# Altium PCB 1.PcbDoc (part 2 of 2)
Units mil, origin at the board's own origin, x right, y up, seen from the top; angles counter-clockwise.
Board outline 4225.03 x 4485.03 mil, 2 copper layers (Top Layer, Bottom Layer); 137 components, 104 nets, 694 pads, 56 vias.
Unrouted connection lines stored in the file: 96.
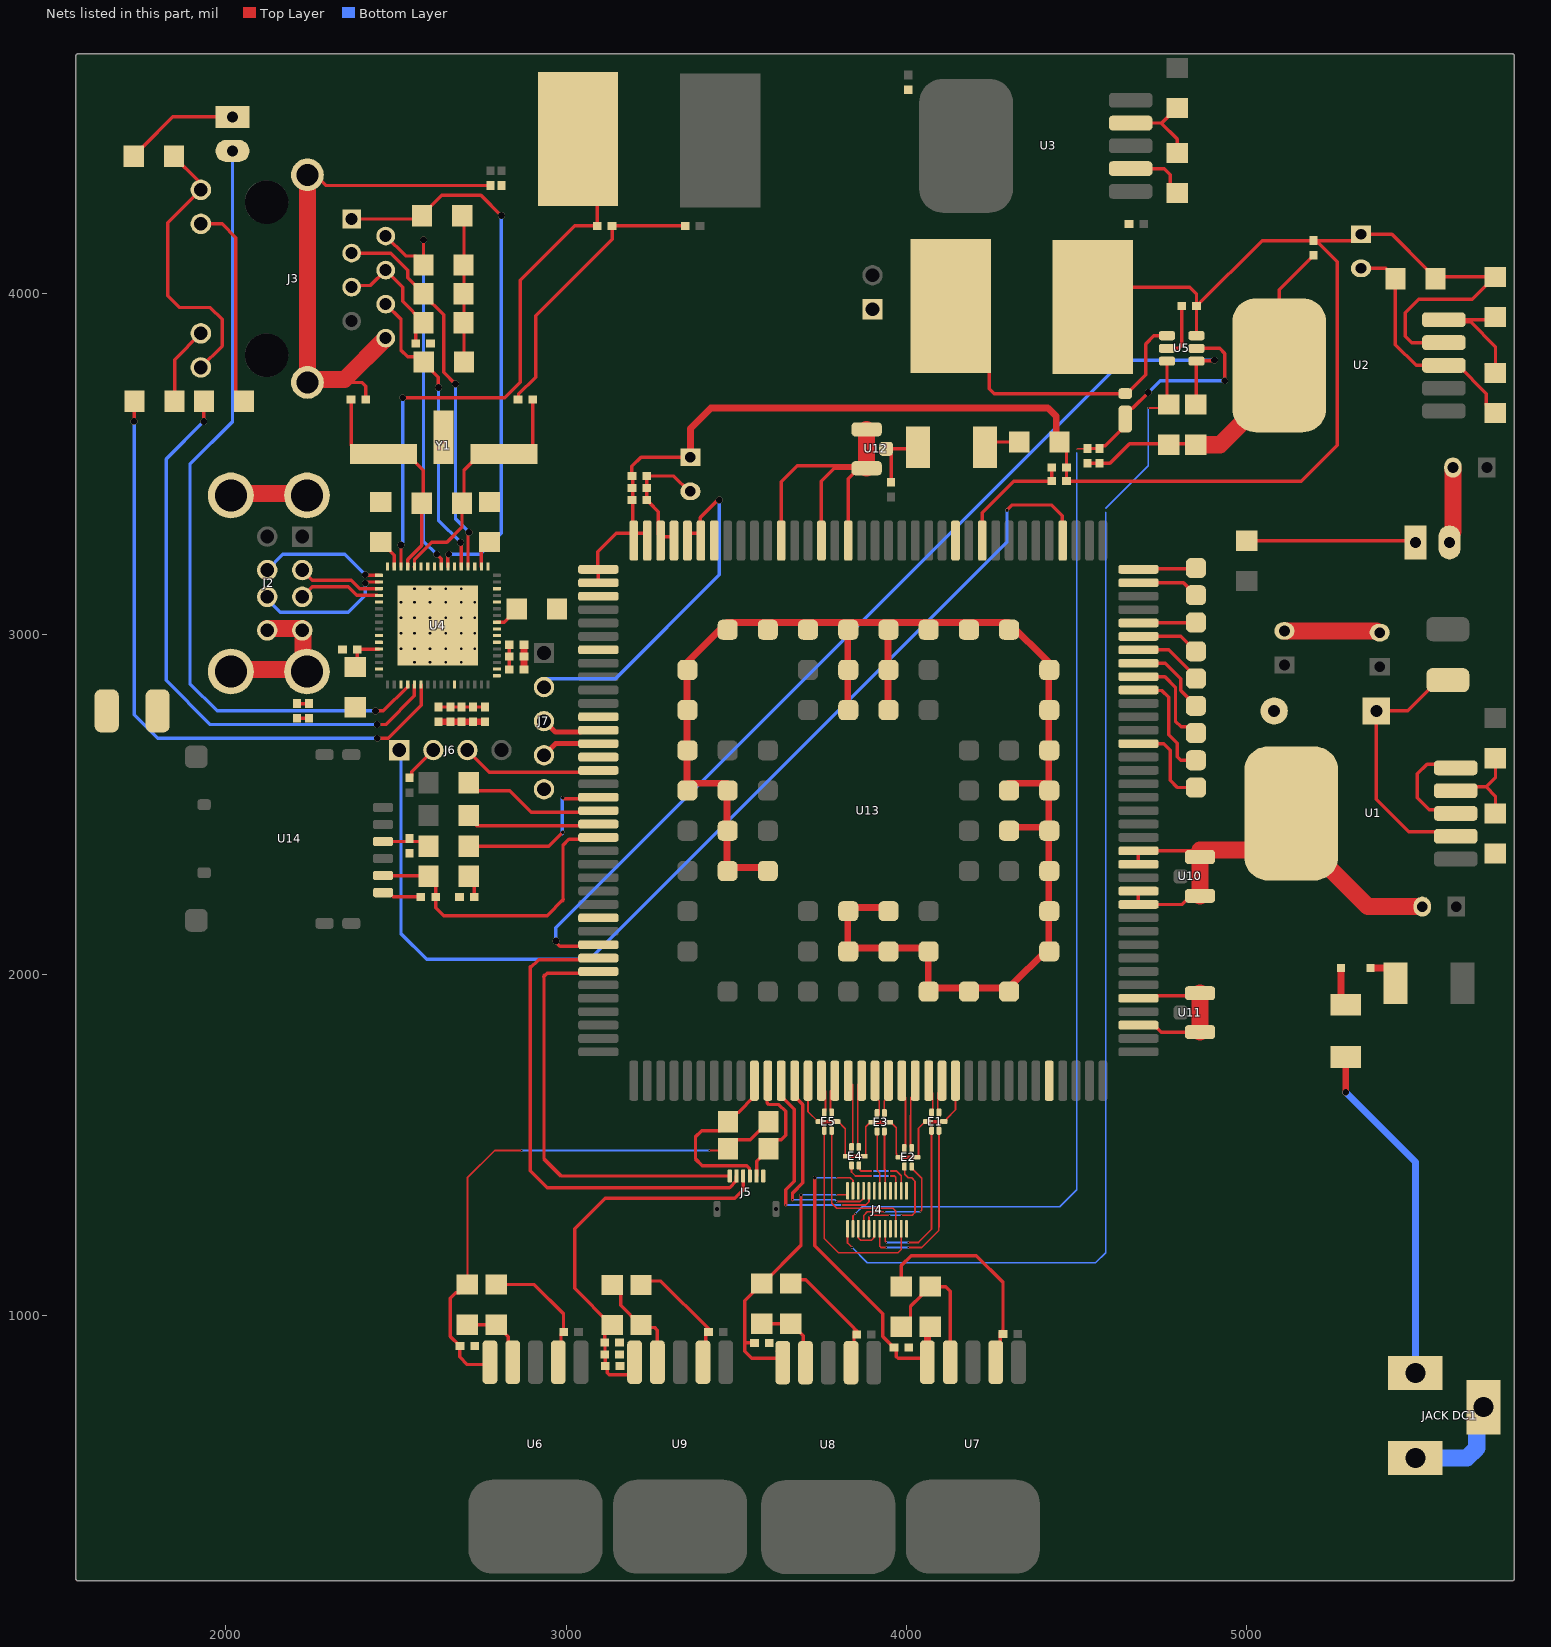
[diagram p2: the nets of this part, all layers, seen from the top]

## Via types
v1: diameter 20, hole 20, Top Layer to Bottom Layer, 27 vias
v2: diameter 5, hole 5, Top Layer to Bottom Layer, 24 vias
v3: diameter 10, hole 10, Top Layer to Bottom Layer, 5 vias

## Nets (pads, with @x,y where several pads share a name; then routed paths per layer and width w, separated by ;. In a path a pad name is that pad's centre, name@x,y a point inside that pad or via, vN(x,y) a via of type N, cw(c..) or ccw(c..) an arc to the next point about the centre after c; other vN are vias at no path point) (continued)
GND: "JACK DC1.2" "JACK DC1.3" C1.2 C2.2 C3.2 C4.1 C5.1 C6.1 C7.2 C8.2 C9.2 C10.1 C11.1 C12.1 C13.1 C14.1 C15.2 C16.1 C17.1 C18.1 C19.1 C20.1 C21.1 C22.1 C23.2 C24.2 C25.1 C26.2 C27.1 C28.1 C29.1 C30.1 C31.1 C32.1 C33.1 C34.1 C35.1 C36.1 C37.1 C38.1 C39.1 C40.2 C41.1 C42.1 C43.1 C44.1 C45.1 C47.1 C48.1 C49.1 C50.1 D2.1 E1.5 E1.6 E2.5 E2.6 E3.5 E3.6 E4.5 E4.6 E5.5 E5.6 J2.4 J2.8 J2.S1 J2.S2 J2.S3 J2.S4 J3.8 J3.15 J3.16 J4.1 J4.4 J4.7 J4.10 J4.15 J4.18 J4.21 J4.24 J5.6 J6.2 J7.5 LED1.2 R3.1 R6.1 R7.1 R8.1 R10.1 R11.2 R22.1 R23.1 R25.1 R28.1 R29.1 R31.1 U1.3 U1.5 U2.3 U3.2 U4.34 U4.44 U4.65 U5.2 U6.2 U7.2 U8.2 U9.2 U10.E U11.E U12.E U13.3 U13.7 U13.12 U13.15 U13.27 U13.51 U13.62 U13.69 U13.76 U13.78 U13.85 U13.86 U13.88 U13.89 U13.120 U13.122 U13.130 U13.132 U13.135 U13.140 U13.143 U13.144 U13.147 U13.148 U13.149 U13.150 U13.160 U13.161 U13.162 U13.163 U13.164 U13.165 U13.166 U13.167 U13.168 U13.169 U13.170 U13.171 U13.172 U13.173 U13.174 U13.175 U13.176 U13.177 U13.178 U13.180 U13.181 U13.182 U13.184 U13.185 U13.186 U13.188 U13.189 U13.192 U13.193 U13.198 U13.200 U13.201 U13.208 U13.209 U14.C5 Y1.3 | length 18095.3
  Top Layer w5: U13.51@3710.69,1688.76 3710.69,1597.89 3739.82,1568.76 E5.5@3744.75,1568.76 ; E5.6@3793.96,1568.76 3798.88,1568.76 3820,1547.64 3820,1471.11 3824.32,1466.79 E4.5@3824.59,1466.79 ; J4.10@3858.27,1265 3858.27,1226.73 3865,1220 3897.07,1220 3905.51,1228.44 J4.7@3905.51,1265 ; E4.6@3873.8,1466.79 3875.7,1466.79 3880.02,1471.11 3880.02,1553.96 3894.82,1568.76 E3.5@3899.75,1568.76 ; E3.6@3948.8,1566.79 3953.72,1566.79 3970,1550.51 3970,1473.5 3971.02,1472.49 3971.02,1468.08 3975.34,1463.76 E2.5@3979.75,1463.76 ; E2.6@4028.96,1463.76 4030.68,1463.76 4035,1468.08 4035,1548.93 4054.82,1568.76 E1.5@4059.75,1568.76 ; E1.6@4108.96,1568.76 4113.37,1568.76 4117.69,1573.08 4117.69,1577.49 4143.76,1603.56 U13.62@4143.76,1688.76
  Top Layer w10: C16.1@2210,2753.35 C17.1@2245,2753.35 ; J3.16@2240.08,3739.88 2400.12,3739.88 2411.65,3728.35 C9.2@2411.65,3690 ; J3.15@2240.08,4349.72 2263.42,4349.72 2294.77,4318.38 C22.1@2777.97,4318.38 ; U14.C5@2462.23,2241.4 2479,2241.4 2491.64,2228.76 C50.1@2573.37,2228.76 ; C48.1@2540,2578.31 2546.81,2585.12 2546.81,2596.81 J6.2@2610,2660 ; R25.1@2795,1090 2906.26,1090 2992.36,1003.9 2992.36,950 2985.02,942.66 2985.02,870.1 U6.2@2976.95,862.03 ; C15.2@2858.35,3690 2860,3691.65 2860,3705 2910.62,3755.62 2910.62,3935.62 3135,4160 C25.1@3135,4200 ; C25.1@3134.02,4200 C24.2@3350,4200 ; R31.1@3219.98,1100.3 3278.29,1100.3 C36.1@3417.34,961.24 ; U13.143@3316.97,3286.61 3277.6,3286.61 3270.98,3293.23 3270.98,3360.67 3244.45,3387.2 3244.45,3388.19 3237.64,3395 C43.1@3236.65,3395 C45.1@3236.65,3430 C44.1@3236.65,3465 3316.06,3465 3361.06,3420 C40.2@3365,3420 ; U9.2@3401.93,873.27 3410.53,881.87 3410.53,954.43 C36.1@3417.34,961.24 ; C36.1@3418.33,961.24 C36.1@3417.34,961.24 ; U13.135@3631.93,3286.61 3631.93,3448.07 3678.86,3495 3875.83,3495 U12.E@3882.91,3487.91 U12.E@3859.29,3487.91 ; R29.1@3660,1104.06 3704.29,1104.06 3845.55,962.8 3845.55,961.81 C34.1@3852.36,955 ; E5.5@3744.75,1568.76 E5.6@3793.96,1568.76 ; U13.132@3750.04,3286.61 3750.04,3450.04 3787.91,3487.91 U12.E@3859.29,3487.91 ; E4.5@3824.59,1466.79 E4.6@3873.8,1466.79 ; U13.130@3828.78,3286.61 3828.78,3457.4 U12.E@3859.29,3487.91 ; U8.2@3836.95,872.03 3836.95,896.95 3845.55,905.55 3845.55,948.19 C34.1@3852.36,955 ; C34.1@3853.35,955 C34.1@3852.36,955 ; E3.5@3899.59,1566.79 E3.6@3948.8,1566.79 ; E2.5@3979.75,1463.76 E2.6@4028.96,1463.76 ; R28.1@3984.98,1095.3 3984.98,1145.02 3984.14,1145.86 4013.28,1175 4205,1175 4283.33,1096.67 4283.33,956.24 4282.34,956.24 4274.99,948.89 4274.99,886.32 U7.2@4261.93,873.27 ; E1.5@4059.75,1568.76 E1.6@4108.96,1568.76 ; U13.120@4222.48,3286.61 4222.48,3357.48 4315,3450 C42.1@4426.69,3450 C41.1@4426.69,3490 ; U7.2@4261.95,862.03 4275.01,875.08 4275.01,937.64 4282.36,945 C32.1@4283.35,945 ; C29.1@4531.22,3502.72 C28.1@4566.22,3502.72 4597.72,3502.72 4655,3560 4846.89,3560 R23.1@4850,3556.89 ; U3.2@4658.27,4368.07 4756.93,4368.07 4775,4350 4775,4315.94 R7.1@4795,4295.94 ; U13.76@4681.16,1852.14 4728.18,1852.14 4748.65,1831.67 U11.E@4862.11,1831.67 ; U13.78@4681.16,1930.88 4688.1,1937.82 4854.08,1937.82 U11.E@4862.11,1945.85 ; U13.86@4681.16,2245.85 U13.85@4681.16,2206.48 4810.4,2206.48 4835.6,2231.67 U10.E@4862.11,2231.67 ; U13.88@4681.16,2324.59 U13.89@4681.16,2363.96 4858.96,2363.96 4862.09,2367.09 ; U5.2@4765,3840 4799.14,3840 4808.35,3849.2 C27.1@4808.35,3965 ; U2.3@5095,3790 5095,4012.36 5195,4112.36 C4.1@5195,4113.35 ; C8.2@5335,4075 5407.91,4075 5435.94,4046.97 R6.1@5435.94,4045 5435.94,3850.94 5496.89,3790 U2.3@5578.27,3790 5620.59,3790 5703.5,3707.09 5703.5,3674.53 5728.03,3650 R8.1@5730,3650 ; U1.3@5613.27,2485 5535,2485 5500,2520 5500,2590 5528.86,2618.86 U1.5@5613.27,2618.86
  Top Layer w20: C11.1@2625,2743.35 C10.1@2660,2743.35 C12.1@2692.03,2743.35 C14.1@2727.03,2743.35 C13.1@2762.03,2743.35 ; C19.1@2876.48,2897.35 C21.1@2876.5,2969.37 ; U13.180@3473,2551.45 3473,2315.23 U13.198@3591.11,2315.23 ; U13.180@3472.98,2562.69 3354.87,2562.69 3354.87,2917.02 3472.98,3035.13 U13.175@3827.31,3035.13 ; U13.209@3827.31,2798.91 U13.175@3827.31,3035.13 ; U13.208@3945.42,2798.91 U13.174@3945.42,3035.13 ; U13.201@3945.44,2197.12 3827.33,2197.12 3827.33,2079.01 4063.55,2079.01 4063.55,1960.9 4299.77,1960.9 4417.88,2079.01 U13.166@4417.88,2433.34 ; U13.188@4299.77,2433.34 U13.166@4417.88,2433.34 ; U13.189@4299.75,2562.69 4417.86,2562.69 4417.86,2917.02 4299.75,3035.13 U13.174@3945.42,3035.13 ; U13.167@4417.88,2551.45 U13.166@4417.88,2433.34 ; U13.175@3827.31,3035.13 U13.174@3945.42,3035.13
  Top Layer w50: J2.S4@2015,2896.34 2238.62,2896.34 2226.8,2908.16 2226.8,3015.25 2224.84,3017.2 J2.8@2121.69,3017.2 ; J2.S3@2015,3413.66 J2.S1@2238.62,3413.66 ; J3.15@2240.08,4349.72 J3.16@2240.08,3739.88 2248.93,3748.73 2348.73,3748.73 J3.8@2470,3870 ; U12.E@3882.91,3487.91 U12.E@3882.91,3602.09 ; R23.1@4850,3556.89 4920.94,3556.89 5095,3730.94 U2.3@5095,3790 ; U11.E@4862.11,1831.67 U11.E@4862.11,1945.85 ; U10.E@4862.11,2231.67 U10.E@4862.11,2345.85 ; 4862.09,2367.09 5020.55,2367.09 U1.3@5130,2476.54 ; C3.2@5110,3010 5380.74,3010 5385.74,3005 C2.2@5390,3005 ; U1.3@5130,2485 U1.3@5130,2476.54 ; C1.2@5515,2200 5355.94,2200 5130,2425.94 U1.3@5130,2476.54 ; LED1.2@5595,3270 5595,3291.56 5605,3301.56 C7.2@5605,3490
  Bottom Layer w50: 5495,580 5645.71,580 5675,609.29 5675,710 5695,730
LCD_1VIO8: C35.2 J4.13 R27.2 U8.5 | length 870.7
  Top Layer w5: v2(3795.02,1353.76) 3825.36,1353.76 3826.79,1355.2 J4.13@3826.79,1364.99
  Top Layer w10: C35.2@3553.37,918.76 3525.02,918.76 ; U8.5@3619.97,893.76 3636.18,877.55 U8.5@3636.18,860.78 3623.21,873.76 3545.02,873.76 3525.02,893.76 3525.02,918.76 ; v3(3690.02,1353.76) 3690.02,1205.85 3576.99,1092.81 R27.2@3575.02,1092.81 3573.05,1092.81 3548.52,1068.29 3548.52,1066.32 3525.02,1042.81 3525.02,918.76
  Bottom Layer w5: v3(3690.02,1353.76) v2(3795.02,1353.76)
LCD_2VCC8: C33.2 J4.14 R26.2 U7.5 | length 973.1
  Top Layer w5: v2(3795.02,1403.76) 3835.02,1403.76 3842.54,1396.24 J4.14@3842.54,1364.99
  Top Layer w10: v3(3730.02,1403.76) 3730.02,1203.76 3930.02,1003.76 3930.02,937.34 3962.36,905 C33.2@3963.35,905 3970.12,898.23 3970.12,878.19 3975.04,873.27 U7.5@4061.14,873.27
  Top Layer w20: U7.5@4061.16,862.03 4061.16,957.11 R26.2@4070,965.94
  Bottom Layer w5: v3(3730.02,1403.76) v2(3795.02,1403.76)
LCD_LEDA: C28.2 C29.2 D3.2 J4.11 U5.5 | length 3601.6
  Top Layer w5: J4.11@3842.54,1253.76 3842.54,1291.28 v2(3850.02,1298.76) ; v2(4500,3545) 4530.2,3545 C29.2@4531.22,3546.02
  Top Layer w10: C29.2@4531.22,3546.02 C28.2@4566.22,3546.02 4566.22,3547.01 4573.03,3553.82 4583.5,3553.82 4642.44,3612.76 4642.44,3649.51 4656.76,3663.82 4663.82,3663.82 v1(4710,3710) ; U5.5@4851.61,3840 4920,3840 4935,3825 v1(4935,3745)
  Bottom Layer w5: v2(3850.02,1298.76) 3870.02,1318.76 4450.02,1318.76 4500.02,1368.76 4500.02,3533.76
  Bottom Layer w10: v1(4710,3710) 4745,3745 v1(4935,3745)
LCD_LEDK: J4.12 R22.2 U5.3 | length 3542.1
  Top Layer w5: J4.12@3826.79,1253.76 3826.79,1211.99 v2(3840.02,1198.76) ; v2(4710,3665) 4750,3665 R22.2@4765,3680
  Top Layer w10: R22.2@4765,3680 U5.3@4765,3802.6
  Bottom Layer w5: v2(3840.02,1198.76) 3885.02,1153.76 4555.02,1153.76 4585.02,1183.76 4585.02,3358.76 ; 4585,3370 4710,3495 v2(4710,3665)
LCD_RST: J4.17 U13.49 | length 671.4
  Top Layer w5: v2(3810.02,1323.76) 3880.02,1323.76 3889.78,1333.52 J4.17@3889.78,1364.99
  Top Layer w10: U13.49@3631.95,1688.76 3631.95,1642.5 3670.02,1604.43 3670.02,1393.76 3645.02,1368.76 v2(3645.02,1323.76)
  Bottom Layer w5: v2(3645.02,1323.76) v2(3810.02,1323.76)
LCD_TE: J4.16 U13.50 | length 608.7
  Top Layer w5: v2(3795.02,1333.76) 3864.45,1333.76 3872.6,1341.9 3872.6,1363.56 J4.16@3874.04,1364.99
  Top Layer w10: v2(3665.02,1339.14) 3665.02,1358.76 3695.02,1388.76 3695.02,1618.8 3671.32,1642.5 U13.50@3671.32,1688.76
  Bottom Layer w5: v2(3665.02,1339.14) 3789.64,1339.14 v2(3795.02,1333.76)
LCM_TC_N: E5.3 J4.3 | length 462.7
  Top Layer w5: E5.3@3780.18,1541.79 3780.18,1328.6 3795.02,1313.76 3960.02,1313.76 3968.52,1305.25 J4.3@3968.52,1253.76
LCM_TC_P: E5.4 J4.2 | length 624.1
  Top Layer w5: E5.4@3758.53,1541.79 3758.53,1225.25 3800.02,1183.76 3975.02,1183.76 3984.27,1193.01 J4.2@3984.27,1253.76
LCM_TD0_N: E4.3 J4.23 | length 187.1
  Top Layer w5: E4.3@3860.02,1439.82 3863.27,1436.57 3863.27,1426.69 3866.2,1423.76 v2(3900.02,1423.76) ; v2(3950.02,1423.76) 3970.02,1423.76 3984.27,1409.51 J4.23@3984.27,1364.99
  Bottom Layer w5: v2(3900.02,1423.76) v2(3950.02,1423.76)
LCM_TD0_P: E4.4 J4.22 | length 196.1
  Top Layer w5: E4.4@3838.37,1439.82 3838.37,1420.41 3850.02,1408.76 v2(3900.02,1408.76) ; v2(3950.02,1408.76) 3965.02,1408.76 3968.52,1405.25 J4.22@3968.52,1364.99
  Bottom Layer w5: v2(3900.02,1408.76) v2(3950.02,1408.76)
LCM_TD1_N: E3.3 J4.20 | length 177.7
  Top Layer w5: E3.3@3935.18,1541.79 3935.18,1433.92 3935.02,1433.76 3935.02,1428.76 3937.03,1426.75 J4.20@3937.03,1364.99
LCM_TD1_P: E3.4 J4.19 | length 180
  Top Layer w5: E3.4@3913.53,1541.79 3913.53,1425.25 3921.28,1417.5 J4.19@3921.28,1364.99
LCM_TD2_N: E2.3 J4.9 | length 357
  Top Layer w5: J4.9@3874.04,1253.76 3874.04,1292.77 3885.02,1303.76 v2(3935.02,1303.76) ; E2.3@4015.18,1436.79 4015.18,1431.87 4045.02,1402.03 4045.02,1308.76 v2(4040.02,1303.76)
  Bottom Layer w5: v2(3935.02,1303.76) v2(4040.02,1303.76)
LCM_TD2_P: E2.4 J4.8 | length 329.5
  Top Layer w5: J4.8@3889.78,1253.76 3889.78,1288.52 3895.02,1293.76 v2(3950.02,1293.76) ; v2(3985.02,1293.76) 4017.09,1293.76 4025.02,1301.69 4025.02,1393.76 4015.02,1403.76 4005.02,1403.76 3995.02,1413.76 3995.02,1435.29 E2.4@3993.53,1436.79
  Bottom Layer w5: v2(3950.02,1293.76) v2(3985.02,1293.76)
LCM_TD3_N: E1.3 J4.6 | length 540.4
  Top Layer w5: J4.6@3921.28,1253.76 3921.28,1202.5 3925.02,1198.76 v2(3940.02,1198.76) ; v2(4005.02,1198.76) 4045.02,1198.76 4095.02,1248.76 4095.02,1258.76 4095.18,1258.92 E1.3@4095.18,1541.79
  Bottom Layer w5: v2(3940.02,1198.76) v2(4005.02,1198.76)
LCM_TD3_P: E1.4 J4.5 | length 480.2
  Top Layer w5: J4.5@3937.03,1253.76 3937.03,1216.75 v2(3940.02,1213.76) ; v2(4005.02,1213.76) 4035.02,1213.76 4073.53,1252.26 E1.4@4073.53,1541.79
  Bottom Layer w5: v2(3940.02,1213.76) v2(4005.02,1213.76)
NetC26_1: C26.1 J3.4 J3.5 R19.1 | length 391
  Top Layer w10: J3.5@2370,4020 2374.71,4024.71 2424.71,4024.71 J3.4@2470,4070 2520,4020 2520,3977.91 2580.94,3916.97 R19.1@2580.94,3915 2558.35,3892.4 C26.1@2558.35,3855
NetC47_2: C47.2 R38.1 | length 66.6
  Top Layer w10: R38.1@2714.08,2288.76 2730.02,2272.81 C47.2@2730.02,2228.76
NetD1_1: D1.1 F1.2 | length 113.5
  Top Layer w20: D1.1@5276.69,2020 5276.69,1925.31 F1.2@5290,1912
NetD1_2: D1.2 L1.2 | length 103.4
  Top Layer w20: D1.2@5363.31,2020 5411.14,2020 5436.57,1994.57 L1.2@5436.57,1975
NetD2_2: D2.2 L2.1 U1.2 | length 780.9
  Top Layer w10: L2.1@5590,2865.39 5562.44,2865.39 5472.05,2775 D2.2@5380,2775 5380,2515 5475,2420 5580,2420 5581.93,2418.07 U1.2@5613.27,2418.07
NetD3_1: D3.1 L5.2 U5.1 | length 941
  Top Layer w10: L5.2@4130,3965 4243.11,3851.89 4243.11,3721.89 4257.76,3707.24 D3.1@4642.44,3707.24 4646.38,3707.24 4702.16,3763.02 4702.16,3852.84 4726.72,3877.4 U5.1@4765,3877.4
NetF1_1: "JACK DC1.1" F1.1 | length 1012.9
  Top Layer w20: v1(5290,1655) F1.1@5290,1758
  Bottom Layer w20: v1(5290,1655) 5495,1450 5495,830
NetJ3_10: J3.10 R20.2 | length 609.7
  Top Layer w10: J3.10@1927.09,4205.63 1989.37,4205.63 2029.53,4165.47 2029.53,3709.53 R20.2@2054.06,3685
NetJ3_11: J3.11 R21.2 | length 230.9
  Top Layer w10: R21.2@1850,3685 1850,3806.89 J3.11@1927.09,3883.98
NetL6_1: L6.1 R34.1 | length 107.2
  Top Layer w10: L6.1@4230,3550 4245,3565 R34.1@4330.94,3565
NetLED1_1: LED1.1 R2.1 | length 497.1
  Top Layer w10: R2.1@5000,3275 5490,3275 LED1.1@5495,3270
NetLED2_1: LED2.1 R14.2 | length 338.8
  Top Layer w10: R14.2@1730,4405 1730,4406.97 1754.53,4431.5 1756.5,4431.5 1845,4520 LED2.1@2020,4520
NetR1_1: R1.1 R3.2 U1.4 | length 274
  Top Layer w10: U1.4@5613.27,2551.93 5703.07,2551.93 ; R3.2@5730,2474.06 5730,2525 5703.07,2551.93 ; R1.1@5730,2635.94 5730,2578.86 5703.07,2551.93
NetR4_1: R4.1 R7.2 U3.4 | length 297
  Top Layer w10: U3.4@4658.27,4501.93 4700.59,4501.93 4748.07,4501.93 ; R7.2@4770.47,4438.58 R7.2@4795,4414.06 4795,4455 4748.07,4501.93 ; R4.1@4795,4545.94 4793.03,4545.94 4749.02,4501.93 4748.07,4501.93
NetR5_1: R5.1 R8.2 U2.5 | length 475.9
  Top Layer w10: U2.5@5631.14,3907.65 U2.5@5621.04,3917.76 ; R8.2@5703.5,3792.64 5728.03,3768.11 R8.2@5730,3768.11 5730,3845 5657.24,3917.76 U2.5@5621.04,3917.76 ; R5.1@5730,3931.89 5721.97,3923.86 U2.5@5614.93,3923.86 ; U2.5@5614.93,3923.86 U2.5@5621.04,3917.76 ; U2.5@5614.93,3923.86 U2.5@5578.27,3923.86 5584.37,3917.76 U2.5@5621.04,3917.76
NetR10_2: R10.2 U4.63 | length 89.6
  Top Layer w10: R10.2@2455,3270.94 2456.97,3270.94 2495.16,3232.76 U4.63@2495.16,3199.09
NetR11_1: R11.1 U4.50 | length 81.8
  Top Layer w10: U4.50@2751.06,3199.09 2751.06,3247.01 R11.1@2775,3270.94
NetR13_1: R13.1 U4.41 | length 75.7
  Top Layer w10: U4.41@2796.34,3035.71 2796.61,3035.98 2818.43,3035.98 2854.84,3072.4 R13.1@2854.84,3074.37
NetR24_1: R24.1 R25.2 U6.4 | length 215.9
  Top Layer w10: R24.1@2710,971.89 R25.2@2795,971.89 2796.97,971.89 2821.5,947.36 2821.5,945.39 2830.04,936.85 2830.04,875.08 U6.4@2843.09,862.03
NetR26_1: R26.1 R28.2 U7.4 | length 427.9
  Top Layer w10: R28.2@3985,965.94 3986.97,965.94 4011.5,990.47 4011.5,1025.55 4043.5,1057.56 4043.5,1059.53 4068.03,1084.06 R26.1@4070,1084.06 4114.72,1084.06 4128.09,1070.69 U7.4@4128.09,862.03
NetR27_1: R27.1 R29.2 U8.4 | length 217.9
  Top Layer w10: R27.1@3575.02,974.7 R29.2@3660.02,974.7 3661.99,974.7 3696.93,939.76 U8.4@3696.93,866.97 ; U8.4@3696.91,878.21 U8.4@3703.09,872.03
NetR30_1: R30.1 R31.2 U9.4 | length 321.4
  Top Layer w10: R30.1@3135,1089.06 3135.49,1089.06 3160.02,1064.53 3160.02,1028.96 3218.03,970.94 R31.2@3220,970.94 3227.21,970.94 3240.02,983.76 3240.02,970.23 3246.5,963.76 3260.02,963.76 3268.09,955.69 U9.4@3268.09,862.03
NetTP1_1: TP1.1 U13.110 | length 170.6
  Top Layer w10: U13.110@4681.16,3190.73 4683.3,3192.86 4847.86,3192.86 TP1.1@4850,3195
NetTP2_1: TP2.1 U13.109 | length 183.9
  Top Layer w10: U13.109@4681.16,3151.36 4813.64,3151.36 TP2.1@4850,3115
NetTP3_1: TP3.1 U13.106 | length 169.6
  Top Layer w10: U13.106@4681.16,3033.25 4682.04,3034.12 4849.12,3034.12 TP3.1@4850,3035
NetTP4_1: TP4.1 U13.105 | length 187
  Top Layer w10: U13.105@4681.16,2993.88 4806.12,2993.88 TP4.1@4850,2950
NetTP5_1: TP5.1 U13.104 | length 206.8
  Top Layer w10: U13.104@4681.16,2954.51 4770.49,2954.51 4850,2875 TP5.1@4850,2870
NetTP6_1: TP6.1 U13.103 | length 241.2
  Top Layer w10: U13.103@4681.16,2915.14 4759.86,2915.14 4805,2870 4805,2835 TP6.1@4850,2790
NetTP7_1: TP7.1 U13.102 | length 296.1
  Top Layer w10: U13.102@4681.16,2875.77 4759.23,2875.77 4790,2845 4790,2745 4806.5,2728.5 4831.5,2728.5 TP7.1@4850,2710
NetTP8_1: TP8.1 U13.97 | length 274.5
  Top Layer w10: U13.97@4681.16,2678.92 4756.08,2678.92 4775,2660 4775,2570.86 4795.86,2550 TP8.1@4850,2550
NetTP9_1: TP9.1 U13.101 | length 341.7
  Top Layer w10: U13.101@4681.16,2836.4 4682.56,2835 4750,2835 4770,2815 4770,2705 4795,2680 4795,2640.86 4805.47,2630.39 4849.61,2630.39 TP9.1@4850,2630
NFDX_LED: LED2.2 U4.20 | length 2318.8
  Top Layer w10: v1@2446.59,2775 2463.43,2775 2534.53,2846.1 U4.20@2534.53,2852.64
  Bottom Layer w10: LED2.2@2020,4420 2020,3625 1895,3500 1895,2855 1975,2775 v1(2440,2775)
NLNKA_LED: R20.1 U4.21 | length 1718
  Top Layer w10: v1@1935,3625 v1(1935.47,3625.47) 1935.94,3625.94 R20.1@1935.94,3685 ; v1(2445,2735) 2470,2735 2554.21,2819.21 U4.21@2554.21,2852.64
  Bottom Layer w10: v1(1935.47,3625.47) 1825,3515 1825,2865 1955,2735 v1(2445,2735)
NRESET: C18.2 R12.1 U4.12 | length 117.7
  Top Layer w10: R12.1@2380,2904.06 2386.65,2910.71 C18.2@2386.65,2955 2388.35,2956.69 2449.61,2956.69 U4.12@2449.88,2956.97
NSPD_LED: R21.1 U4.22 | length 1895.6
  Top Layer w10: v1@1730,3625 v1(1730.94,3625.94) 1731.89,3626.89 R21.1@1731.89,3685 ; v1(2445,2695) 2477.8,2695 2573.9,2791.1 U4.22@2573.9,2852.64
  Bottom Layer w10: v1(1730.94,3625.94) 1730.94,2764.06 1800,2695 v1(2445,2695)
PWKEY: J6.1 U13.114 | length 3215.1
  Top Layer w10: v3(4295,3365) 4310,3380 4425.53,3380 4457.5,3348.03 U13.114@4457.5,3270.42
  Bottom Layer w10: J6.1@2510,2660 2515,2655 2515,2120 2590,2045 3070,2045 4295,3270 v3(4295,3365)
PWM: R23.2 U5.4 U13.29 | length 2972
  Top Layer w10: v1@2968.87,2093.74 2971.57,2093.74 2981.9,2083.41 U13.29@3093.33,2083.41 ; v1@2970.02,2098.76 v1(2970.08,2098.7) ; R23.2@4850,3675 4851.61,3676.61 U5.4@4851.61,3802.6 4852.81,3803.8 4903.8,3803.8 v1(4905,3805)
  Bottom Layer w10: v1(2970.08,2098.7) 2970.08,2138.7 4625.15,3793.76 ; 4625.13,3805 v1(4905,3805)
RST_PLL: C49.2 R35.2 U14.C2 | length 139.4
  Top Layer w10: U14.C2@2462.23,2391.4 2582.33,2391.4 R35.2@2595.97,2377.76
RXN: J3.6 R18.1 U4.53 | length 881.5
  Top Layer w10: J3.6@2470,3970 2515,3925 2515,3835 2535,3815 2566.89,3815 R18.1@2581.89,3800 2581.89,3798.03 2624.92,3755 2624.92,3725.08 v1(2625,3725) ; v1(2690,3270) 2691.73,3268.27 2691.73,3199.37 U4.53@2692.01,3199.09
  Bottom Layer w10: v1(2625,3725) 2625,3335 v1(2690,3270)
RXP: J3.3 R17.1 U4.52 | length 1132.5
  Top Layer w10: J3.3@2370,4120 2485,4120 2535,4070 2535,4047.91 2580.94,4001.97 R17.1@2580.94,4000 2580.94,3998.03 2640,3938.98 2640,3770 v1(2675,3735) ; U4.52@2711.69,3199.09 2711.69,3293.99 2715,3297.29 v1(2715,3300)
  Bottom Layer w10: v1(2675,3735) 2675,3340 v1(2715,3300)
SC_CLK_N: E5.1 U13.52 | length 64.4
  Top Layer w5: E5.1@3758.53,1595.73 3761.85,1599.05 3761.85,1625.96 U13.52@3761.85,1658.76
SC_CLK_P: E5.2 U13.53 | length 64.4
  Top Layer w5: U13.53@3776.85,1658.76 3776.85,1619.74 3776.85,1599.05 E5.2@3780.18,1595.73
SC_LN0_N: E4.1 U13.54 | length 186.4
  Top Layer w5: E4.1@3838.37,1493.76 3841.69,1497.09 3841.69,1584.97 3841.69,1678.76
SC_LN0_P: E4.2 U13.55 | length 186.4
  Top Layer w5: U13.55@3856.69,1678.76 3856.69,1578.76 3856.69,1497.09 E4.2@3860.02,1493.76
SC_LN1_N: E3.1 U13.56 | length 105
  Top Layer w5: U13.56@3907.54,1688.76 3907.54,1641.46 3919.73,1629.27 3919.73,1618.92 E3.1@3919.73,1588.76
SC_LN1_P: E3.2 U13.57 | length 105
  Top Layer w5: E3.2@3934.73,1588.76 3934.73,1625.13 3934.73,1629.27 3946.91,1641.46 U13.57@3946.91,1688.76
SC_LN2_N: E2.1 U13.58 | length 214.8
  Top Layer w5: U13.58@3984.81,1699.09 3984.81,1651.79 3996.99,1639.61 3996.99,1593.69 3996.85,1593.55 3996.85,1494.05 E2.1@3993.53,1490.73
SC_LN2_P: E2.2 U13.59 | length 214.8
  Top Layer w5: E2.2@4015.18,1490.73 4011.85,1494.05 4011.85,1587.34 4011.99,1587.48 4011.99,1639.61 4024.18,1651.79 U13.59@4024.18,1699.09
SC_LN3_N: E1.1 U13.60 | length 59.4
  Top Layer w5: E1.1@4073.53,1595.73 4076.85,1599.05 4076.85,1623.46 U13.60@4076.85,1653.76
SC_LN3_P: E1.2 U13.61 | length 59.4
  Top Layer w5: U13.61@4091.85,1653.76 4091.85,1617.24 4091.85,1599.05 E1.2@4095.18,1595.73
SIM_CLK: R36.1 U13.19 | length 415.3
  Top Layer w10: R36.1@2714.06,2564 2738.06,2540 2835,2540 2897.89,2477.11 U13.19@3093.33,2477.11
SIM_DATA: R37.1 U13.20 | length 391.2
  Top Layer w10: R37.1@2720.22,2455.44 2720.22,2454.9 2737.39,2437.74 U13.20@3093.33,2437.74 ; R37.1@2721.44,2460.39 R37.1@2728.81,2453.03
SIM_RST: R35.1 U13.18 | length 504.4
  Top Layer w10: R35.1@2714.08,2377.76 2949.02,2377.76 v3(2990.02,2418.76) ; v3(2990,2520) 2993.52,2516.48 U13.18@3093.33,2516.48
  Bottom Layer w10: 2988.8,2413.8 2988.8,2518.8 v3(2990,2520)
TP_1V8: C31.2 R24.2 R32.2 R33.2 U6.5 | length 1621.4
  Top Layer w5: R24.2@2710,1090 2710,1403.74 2790.02,1483.76 v2(2870.02,1483.76) ; v2(3420.02,1483.76) 3470.97,1483.76 R32.2@3475.97,1488.76
  Top Layer w10: C31.2@2687.13,905.04 2687.13,877.87 2710,855 2759.93,855 2776.14,871.21 U6.5@2776.14,873.27 ; C31.2@2688.35,910 2687.36,910 2660.02,937.34 2660.02,1049.39 2676.1,1065.47 2685.47,1065.47 R24.2@2710,1090 ; R32.2@3475.97,1488.76 3475.97,1490.73 3500.49,1515.25 3540.57,1515.25 3567.58,1542.26 3569.55,1542.26 3594.08,1566.79 R33.2@3594.08,1568.76
  Bottom Layer w5: v2(2870.02,1483.76) v2(3420.02,1483.76)
TP_2V8: C37.2 C38.2 C39.2 J5.3 R30.2 U9.5 | length 1185.9
  Top Layer w10: C37.2@3113.35,920 3114.17,919.17 C39.2@3114.17,885 ; C39.2@3115,885 C38.2@3115,850.62 3121.08,844.54 3121.08,830.88 3126.94,825.02 3164.72,825.02 3164.82,825.12 3184.93,825.12 3201.14,841.33 U9.5@3201.14,873.27 ; C37.2@3115,920 3113.35,921.65 3113.35,949.29 R30.2@3135,970.94 3133.03,970.94 3025.02,1078.96 3025.02,1253.76 3115.02,1343.76 3495.02,1343.76 3520.02,1368.76 J5.3@3520.02,1408.76
TP_INT: J5.2 U13.30 | length 1459.1
  Top Layer w10: 2893.8,2018.8 2919.04,2044.04 U13.30@3093.33,2044.04 ; 2895.02,2023.76 2895.02,1423.76 2945.02,1373.76 3480.02,1373.76 3480.02,1374.66 3500.34,1394.98 J5.2@3500.34,1408.76
TP_RST: J5.1 U13.31 | length 1269.7
  Top Layer w10: 2933.8,1993.8 2944.67,2004.67 U13.31@3093.33,2004.67 ; 2935.02,1998.76 2935.02,1458.76 2985.02,1408.76 J5.1@3480.02,1408.76
TP_SCL: J5.4 R33.1 U13.47 | length 528.2
  Top Layer w10: J5.4@3539.71,1408.76 3538.8,1409.66 3538.8,1429.98 3530.02,1438.76 3400.02,1438.76 3380.02,1458.76 3380.02,1523.76 3398.52,1542.26 3451.44,1542.26 3475.97,1566.79 R33.1@3475.97,1568.76 3475.97,1570.73 3500.49,1595.25 3505.97,1595.25 3553.21,1642.5 U13.47@3553.21,1688.76
TP_SDA: J5.5 R32.1 U13.48 | length 363.9
  Top Layer w10: J5.5@3559.39,1408.76 3559.39,1452.11 3594.08,1486.79 R32.1@3594.08,1488.76 3594.08,1490.73 3618.6,1515.25 3631.52,1515.25 3645.02,1528.76 3645.02,1598.76 3625.02,1618.76 3595.88,1618.76 3590.02,1624.62 3590.02,1686.2 U13.48@3592.58,1688.76
TXN: J3.2 R16.1 U4.56 | length 1202.2
  Top Layer w10: J3.2@2470,4170 2528.5,4111.5 2556.42,4111.5 R16.1@2580.94,4086.97 ; v1@2580,4160 v1(2580.94,4159.06) R16.1@2580.94,4086.97 ; R16.1@2580.94,4085 R16.1@2580.94,4086.97 ; v1(2620,3235) 2632.95,3222.05 U4.56@2632.95,3199.09
  Bottom Layer w10: v1(2580.94,4159.06) 2580.94,3274.06 v1(2620,3235)
TXP: J3.1 R15.1 U4.55 | length 1645.8
  Top Layer w10: J3.1@2370,4220 2566.89,4220 R15.1@2576.89,4230 2576.89,4231.97 2634.92,4290 2750,4290 v1(2810,4230) ; U4.55@2652.64,3199.09 2652.64,3229.93 2655,3232.29 v1(2655,3235)
  Bottom Layer w10: v1(2655,3235) 2748.28,3235 2766.37,3253.09 2766.49,3253.09 2810,3296.6 v1(2810,4230)
USB_D2_N: J2.6 U4.1 | length 372.7
  Top Layer w10: v1(2410,3175) 2411.22,3173.78 2449.61,3173.78 U4.1@2449.88,3173.5
  Bottom Layer w10: J2.6@2121.85,3188.74 2168.11,3235 2350,3235 v1(2410,3175)
USB_D2_P: J2.7 U4.2 | length 408
  Top Layer w10: v1(2410,3150) 2412.71,3150 2416.53,3153.82 U4.2@2449.88,3153.82
  Bottom Layer w10: J2.7@2121.85,3110 2121.85,3103.15 2160,3065 2360,3065 2410,3115 v1(2410,3150)
USB_D3_N: J2.2 U4.3 | length 240.6
  Top Layer w10: J2.2@2225,3188.74 2254.37,3159.37 2368.28,3159.37 2393.21,3134.45 U4.3@2443.12,3134.45
USB_D3_P: J2.3 U4.4 | length 242.8
  Top Layer w10: J2.3@2225,3110 2254.37,3139.37 2360,3139.37 2384.92,3114.45 U4.4@2445.28,3114.45
USB_D_N: J7.3 U4.58 U13.13 | length 175.2
  Top Layer w15: J7.3@2935,2745 2936.21,2745 2968.51,2712.7 3042.71,2712.7 3048.29,2718.29 U13.13@3094.55,2718.29
USB_D_P: J7.4 U4.59 U13.14 | length 173.6
  Top Layer w15: J7.4@2935,2645 2968.92,2678.92 U13.14@3094.55,2678.92
USB_ID: J6.3 U13.16 | length 410.2
  Top Layer w10: J6.3@2710,2660 2774.78,2595.22 U13.16@3093.33,2595.22
USB_PLL: C25.2 L4.2 U4.62 | length 1733.1
  Top Layer w10: U4.62@2514.84,3199.09 v1(2514.84,3262.37) ; v1(2520,3695) 2820,3695 2865,3740 2865,4040 3025,4200 C25.2@3091.69,4200 3091.69,4398.31 L4.2@3035,4455
  Bottom Layer w10: v1(2514.84,3262.37) 2514.84,3265.08 2520,3270.23 v1(2520,3695)
USB_VBUS: J7.2 U13.141 U13.142 | length 1024.2
  Top Layer w10: U13.142@3354.87,3296.94 3394.24,3296.94 3394.24,3343.2 3444.12,3393.09 3448.09,3393.09 v1(3450,3395)
  Bottom Layer w10: J7.2@2935,2870 3145,2870 3450,3175 v1(3450,3395)
V_LAN: C10.2 C11.2 C12.2 C13.2 C14.2 J1.1 J3.9 J3.12 L3.1 R12.2 R13.2 R14.1 U4.11 U4.19 U4.27 U4.33 U4.39 U4.40 U4.46 | length 976
  Top Layer w10: R14.1@1848.11,4405 1848.11,4403.03 1917.47,4333.67 1917.47,4315.24 J3.9@1927.09,4305.63 1830,4208.54 1830,3995 1865,3960 1955,3960 1990,3925 1990,3846.89 J3.12@1927.09,3783.98 ; C11.2@2625,2786.65 C10.2@2660,2786.65 C12.2@2692.03,2786.65 C14.2@2727.03,2786.65 C13.2@2762.03,2786.65
VBAT_BB: C4.2 C8.1 C27.2 C40.1 C41.2 C42.2 C43.2 C44.2 C45.2 L5.1 R5.2 R6.2 R34.2 U2.4 U5.6 U13.1 U13.2 U13.145 U13.146 | length 5454.9
  Top Layer w10: U13.2@3094.55,3151.36 U13.1@3094.55,3190.73 3094.55,3198.51 3093.06,3200 3093.06,3243.06 3146.94,3296.94 U13.145@3236.76,3296.94 ; U13.146@3195.37,3298.96 3195.37,3462.98 C44.2@3193.35,3465 3193.35,3493.35 3220,3520 C40.1@3365,3520 ; R34.2@4449.06,3565 4470,3544.06 C41.2@4470,3490 C42.2@4470,3450 5160,3450 5265,3555 5265,4095 C4.2@5203.35,4156.65 ; L5.1@4547.32,3961.06 4606.26,4020 4831.65,4020 4851.65,4000 C27.2@4851.65,3965 ; U5.6@4851.61,3877.4 4851.65,3877.44 C27.2@4851.65,3965 ; R6.2@5542.07,4070 5531.02,4070 5426.02,4175 C8.1@5335,4175 5316.65,4156.65 C4.2@5203.35,4156.65 ; R6.2@5554.06,4045 5559.06,4050 R5.2@5728.03,4050 ; U2.4@5578.27,3856.93 5483.93,3856.93 5465,3875.86 5465,3945 5504.14,3984.14 5662.17,3984.14 R5.2@5728.03,4050 ; R5.2@5730,4050 R5.2@5728.03,4050 ; C27.2@4851.65,3965 4852.64,3965 5044.29,4156.65 C4.2@5195,4156.65 C4.2@5203.35,4156.65
  Top Layer w20: C40.1@3365,3520 3365,3605 3425,3665 4415,3665 4440,3640 4440,3574.06 R34.2@4449.06,3565
VCC_RF: C46.1 L6.2 U12.S | length 199.8
  Top Layer w10: C46.1@3955,3446.65 3955,3527.11 3940,3542.11 U12.S@3940,3545 4028.15,3545 L6.2@4033.15,3550
VDD_1V8: C19.2 C20.2 C21.2 U4.15 U4.38 | length 72
  Top Layer w10: C19.2@2833.17,2897.35 C21.2@2833.19,2969.37
VDD_SIM: C50.2 R38.2 U13.21 U14.C1 | length 913.8
  Top Layer w10: U14.C1@2462.23,2291.4 2593.33,2291.4 R38.2@2595.97,2288.76 2616.67,2268.05 C50.2@2616.67,2228.76 2616.67,2197.11 2640.02,2173.76 2944.16,2173.76 2992.02,2221.62 ; 2990.81,2216.66 2990.81,2380.81 3008.37,2398.37 U13.21@3093.33,2398.37
VETH: C16.2 C17.2 L3.2 R15.2 R16.2 R17.2 R18.2 R19.2 U4.5 U4.10 U4.49 U4.51 U4.54 U4.57 U4.64 | length 467.1
  Top Layer w10: C16.2@2210,2796.65 C17.2@2245,2796.65 ; R15.2@2695,4230 2700,4225 R18.2@2700,3800
X0: C15.1 R9.1 U4.60 Y1.1 | length 736.7
  Top Layer w10: U4.60@2554.21,3199.09 2554.49,3199.37 2554.49,3219.49 2605,3270 2650,3270 2694.06,3314.06 R9.1@2694.06,3385 2700,3390.94 2700,3481.73 2748.27,3530 Y1.1@2817.17,3530 2877.13,3530 2901.65,3554.53 C15.1@2901.65,3690
X1: C9.1 R9.2 U4.61 Y1.2 | length 678.1
  Top Layer w10: C9.1@2368.35,3690 2368.35,3555.59 2393.94,3530 Y1.2@2462.83,3530 2531.73,3530 2580,3481.73 2580,3389.06 R9.2@2575.94,3385 2575.94,3260.94 2534.8,3219.8 2534.8,3199.37 U4.61@2534.53,3199.09
pads on no net: J3. J3.7 J5.0 J6.4 U4.6 U4.7 U4.8 U4.9 U4.13 U4.14 U4.16 U4.17 U4.18 U4.23 U4.24 U4.25 U4.26 U4.28 U4.29 U4.30 U4.31 U4.32 U4.35 U4.36 U4.37 U4.42 U4.43 U4.45 U4.47 U4.66 U4.67 U4.68 U4.69 U4.70 U4.71 U4.72 U4.73 U4.74 U4.75 U4.76 U4.77 U4.78 U4.79 U4.80 U4.81 U4.82 U4.83 U4.84 U4.85 U4.86 U4.87 U4.88 U4.89 U4.90 U4.91 U4.92 U4.94 U4.96 U4.97 U4.98 U4.100 U13.4 U13.5 U13.6 U13.8 U13.9 U13.10 U13.11 U13.17 U13.22 U13.23 U13.24 U13.25 U13.26 U13.28 U13.32 U13.33 U13.34 U13.35 U13.36 U13.37 U13.38 U13.39 U13.40 U13.41 U13.42 U13.43 U13.44 U13.45 U13.46 U13.63 U13.64 U13.65 U13.66 U13.67 U13.68 U13.70 U13.71 U13.72 U13.73 U13.74 U13.75 U13.79 U13.80 U13.81 U13.82 U13.83 U13.84 U13.90 U13.91 U13.92 U13.93 U13.94 U13.95 U13.96 U13.98 U13.99 U13.100 U13.107 U13.108 U13.111 U13.112 U13.113 U13.115 U13.116 U13.117 U13.118 U13.119 U13.123 U13.124 U13.125 U13.126 U13.127 U13.128 U13.129 U13.131 U13.133 U13.134 U13.136 U13.137 U13.138 U13.139 U13.151 U13.152 U13.153 U13.154 U13.155 U13.156 U13.157 U13.158 U13.159 U13.179 U13.183 U13.187 U13.190 U13.191 U13.194 U13.195 U13.196 U13.197 U13.199 U13.202 U13.203 U13.204 U13.205 U13.206 U13.207 U13.210 U14. U14.C6 U14.C9

## Keep-outs
Top Layer:
  lines w10: 1565,225 1760,225 ; 1565,4700 5780,4700 5780,225 ; 1740,225 5780,225 ; 5780,225 5780,225

## Text inside footprints (layer, text, board x,y; h text height)
J2: Mechanical 13 "PCB EDGE" at 1614.37,2856.85 h24 r270